# Altium PCB DIOT_SMA16.PcbDoc (part 4 of 6) (continued)
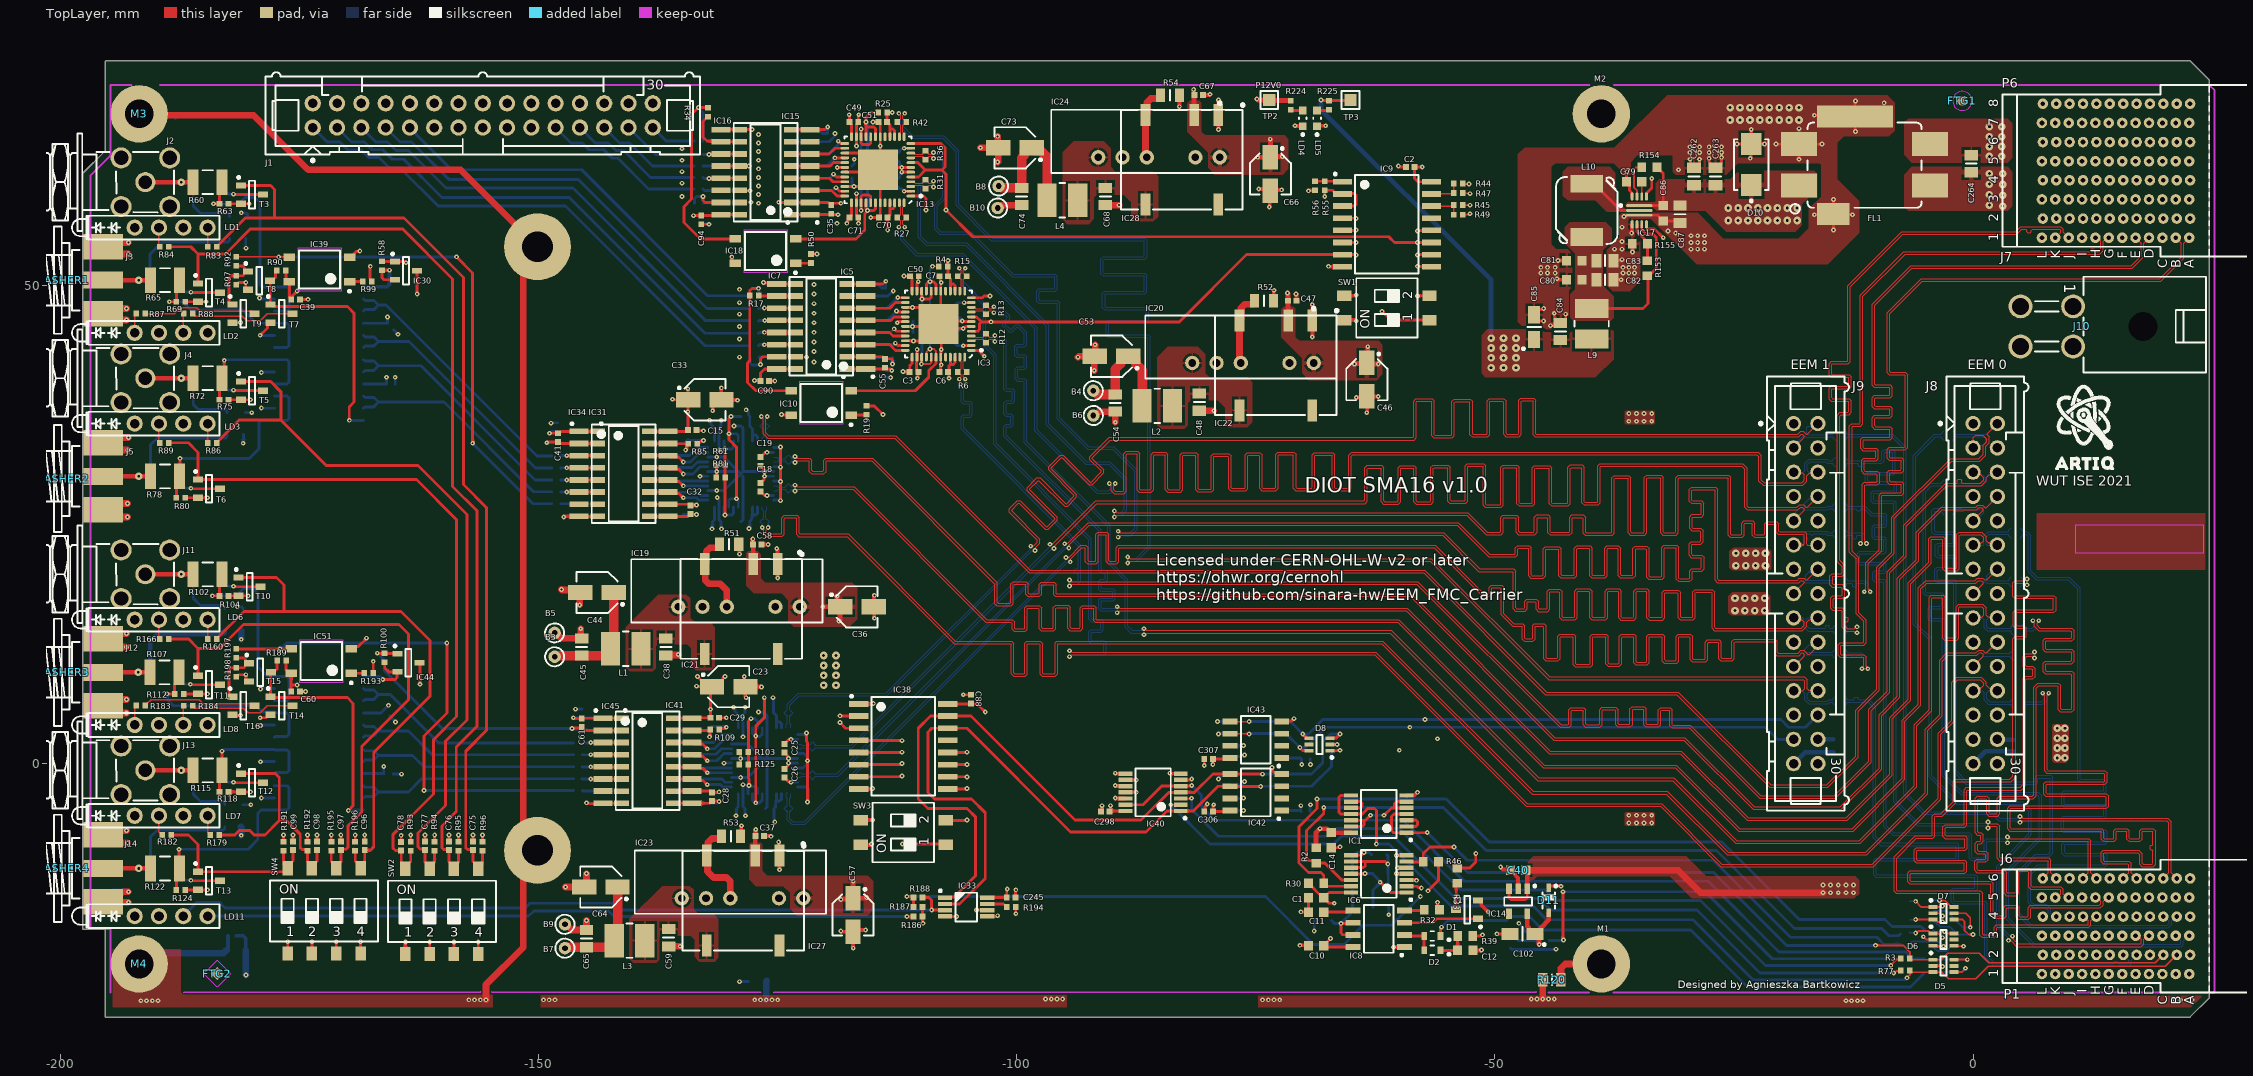
[diagram p0: TopLayer view]
## Nets (pads, with @x,y where several pads share a name; then routed paths per layer and width w, separated by ;. In a path a pad name is that pad's centre, name@x,y a point inside that pad or via, vN(x,y) a via of type N, cw(c..) or ccw(c..) an arc to the next point about the centre after c; other vN are vias at no path point) (continued)
  Bottom Layer w0.3: IC36.8@-138.423,25.855 IC37.8@-136.473,25.855 -135.068,25.855 -134.873,26.05 v1(-133.498,26.05) ; IC36.2@-138.423,33.475 IC37.2@-136.473,33.475 -134.798,33.475 C22.1@-134.373,33.9 -134.273,33.8 v1(-132.748,33.8) ; IC47.8@-135.923,-4.145 IC49.8@-133.973,-4.145 -131.372,-4.145 -131.177,-3.95 v1(-131.123,-3.95) ; IC47.2@-135.923,3.475 IC49.2@-133.973,3.475 -132.298,3.475 C30.1@-131.873,3.9 -130.527,3.9 -130.427,3.8 v1(-130.373,3.8) ; IC32.27@-132.323,28.55 v1(-131.373,28.55) -130.623,28.55 IC32.49@-128.873,30.3 ; IC32.31@-132.323,30.55 v1(-131.373,30.55) IC32.49@-129.123,30.55 ; IC32.34@-132.323,32.05 v1(-131.373,32.05) -130.623,32.05 IC32.49@-129.123,30.55 ; v1(-131.323,27.828) -131.323,27.774 -131.123,27.573 IC32.23@-131.123,26.85 -131.123,25.5 C16.1@-130.923,25.3 -130.923,24.6 v1(-130.873,24.55) ; v1(-131.123,32.8) IC32.38@-131.123,33.75 -131.123,34.964 -131.083,35.004 -131.083,35.14 C21.1@-130.923,35.3 -130.921,35.302 -130.921,35.884 v1(-130.905,35.9) ; IC46.27@-129.823,-1.45 v1(-128.873,-1.45) -128.123,-1.45 IC46.49@-126.373,0.3 ; IC46.31@-129.823,0.55 v1(-128.873,0.55) IC46.49@-126.623,0.55 ; IC46.34@-129.823,2.05 -128.123,2.05 IC46.49@-126.623,0.55 ; v1(-129.58,35.3) C20.1@-128.823,35.3 -128.663,35.14 -128.663,35.004 -128.623,34.964 IC32.43@-128.623,33.75 IC32.49@-128.623,30.55 ; v1(-129,-22.8) R119.2@-128.05,-22.8 ; C17.1@-128.823,25.3 -128.623,25.5 IC32.18@-128.623,26.85 -128.623,27.8 IC32.49@-128.623,30.05 ; v1(-128.623,-2.2) IC46.23@-128.623,-3.15 -128.623,-4.5 C24.1@-128.423,-4.7 -128.423,-5.4 v1(-128.373,-5.45) ; v1(-128.623,2.8) IC46.38@-128.623,3.75 -128.623,4.964 -128.583,5.004 -128.583,5.14 C31.1@-128.423,5.3 -128.421,5.302 -128.421,5.884 v1(-128.405,5.9) ; v1(-127,5.4) -126.962,5.362 -126.385,5.362 C27.1@-126.323,5.3 -126.163,5.14 -126.163,5.004 -126.123,4.964 IC46.43@-126.123,3.75 IC46.49@-126.123,0.55 ; v1(-126.373,30.05) IC32.7@-125.423,30.05 ; C69.1@-126.273,-4.7 -126.123,-4.55 IC46.18@-126.123,-3.15 -126.123,-2.2 -126.123,0.05 IC46.49@-126.373,0.3 ; IC32.6@-125.423,30.55 v1(-126.373,30.55) IC32.49@-128.623,30.55 ; v1(-123.873,0.05) IC46.7@-122.923,0.05 ; IC11.9@-123.576,66.295 IC12.9@-121.626,66.295 -120.735,66.295 -120.319,65.879 -119.863,65.879 C13.1@-119.817,65.925 ; IC46.6@-122.923,0.55 v1(-123.873,0.55) IC46.49@-126.123,0.55 ; C13.1@-119.775,65.925 -119.775,66.565 v1(-119.767,66.573) ; C9.1@-119.553,56.505 -118.805,56.505 v1(-118.8,56.5) ; IC2.9@-117.749,50.162 IC4.9@-115.799,50.162 -114.553,50.162 -114.133,49.742 -113.698,49.742 v1(-113.698,50.447) ; R26.2@-117.216,61.235 -117.216,60.594 -117.026,60.404 v1(-117.026,60.35) ; R41.2@-117.216,62.478 -117.216,62.498 -117,62.714 v1(-117,63.2) ; C34.1@-113.818,40.372 -113.811,40.365 -113.703,40.365 v1(-113.189,40.365) ; R16.2@-113.009,42.467 -113.004,42.462 -113.004,41.804 v1(-113,41.8) ; C72.1@-112.401,61.175 -112.241,61.335 -112.241,61.581 -112.026,61.796 v1(-112.026,61.85) ; C52.1@-112.401,63.025 -112.241,62.865 -112.241,62.619 -112.026,62.404 v1(-112.026,62.35) ; R14.2@-110.84,45.1 -110.87,45.13 -110.87,45.67 v1(-110.9,45.7) -110.87,45.73 -110.87,46.27 R5.2@-110.84,46.3 ; C5.1@-106.449,44.867 -105.854,45.462 ; C4.1@-106.449,47.067 -105.7,46.318 v1(-105.7,46.3) ; v1(-79,4.4) -77.705,4.4 IC26.4@-77.7,4.405 ; v1(-78.9,-1.6) -78.545,-1.245 -77.85,-1.245 IC25.4@-77.7,-1.095 ; v1(-78.9,3.1) -78.865,3.135 IC26.3@-77.7,3.135 ; IC25.1@-77.7,-4.905 -77.698,-4.902 -76.302,-4.902 v1(-76.3,-4.9) ; IC25.2@-77.7,-3.635 -76.335,-3.635 v1(-76.3,-3.6) ; IC25.3@-77.7,-2.365 -77.562,-2.227 -76.527,-2.227 -76.2,-1.9 v1(-76.2,-1.88) ; IC26.1@-77.7,0.595 -77.563,0.732 -76.422,0.732 -76.254,0.9 v1(-76.2,0.9) ; IC26.2@-77.7,1.865 -76.335,1.865 v1(-76.3,1.9) ; C219.1@-69.35,-5 -69.35,-4.35 v1(-69.3,-4.3) ; C220.1@-69.35,0.5 -69.316,0.466 -69.316,-0.084 v1(-69.3,-0.1) ; v1(-68.9,-17.5) C8.1@-68.9,-16.4 ; v1(-47.5,-16.7) -47.475,-16.7 -47,-17.175 -47,-17.375 -46.825,-17.55 T2.2@-46.625,-17.55 ; IC32.49@-129.123,30.55 IC32.49@-128.873,30.3 ; IC32.49@-128.873,30.3 IC32.49@-128.623,30.55 ; IC46.49@-126.623,0.55 IC46.49@-126.373,0.3 ; IC46.49@-126.623,0.55 -126.373,0.55 -126.248,0.425 IC46.49@-126.123,0.55
  Bottom Layer w0.4: C212.2@-181.6,-18 -180.9,-18 -180.625,-18.275 R126.2@-180.625,-19.5
  Bottom Layer w0.7: R126.2@-180.625,-19.5 -180.625,-22.075 v1(-180.6,-22.1)
  other v1: -45.2,51.3 -44.5,51.3 -43.7,51.3 -36.6,51.3 -36,51.3 -35.4,51.3 -45.2,51.9 -44.5,51.9 -43.7,51.9 -36.6,51.9 -36,51.9 -35.4,51.9 -37.5,53.8 -36.7,53.8 -29.5,53.8 -28.8,53.8 -28.1,53.8 -29.5,54.5 -28.8,54.5 -28.1,54.5 -36.7,54.6 -29.5,55.2 -28.8,55.2 -28.1,55.2 -31.1,55.5 -31.9,55.7 -36.7,56.1 -30.8,62.1 -29.6,63.9 -28.6,63.9 -27.6,63.9 -26.3,63.9 -29.6,64.5 -28.6,64.5 -27.6,64.5 -26.3,64.5
  other v2: -25.4,67.3 -24.367,67.3 -23.333,67.3 -22.3,67.3 -21.3,67.3 -20.267,67.3 -19.233,67.3 -18.2,67.3 -25.4,68.6 -24.367,68.6 -23.333,68.6 -22.3,68.6 -21.3,68.6 -20.267,68.6 -19.233,68.6 -18.2,68.6
GND_ISO1: B5.1 C38.1 C39.1 C41.1 C42.1 C43.1 C44.2 C45.1 C75.1 C76.1 C77.1 C78.1 C89.1 D4.1 D9.1 IC19.4 IC21.7 IC30.1 IC31.2 IC31.8 IC34.2 IC34.8 IC35.2 IC35.5 IC35.8 IC35.11 IC36.9 IC37.9 J2.2 J3.2 J4.2 J5.2 LD1.1 LD1.3 LD3.1 LD3.3 R51.1 R58.1 R63.1 R69.1 R75.1 R80.1 R93.2 R94.2 R95.2 R96.2 R97.1 R98.1 T3.2 T4.2 T5.2 T6.2 T7.2 T8.2 T9.2 | length 109.8
  TopLayer w0.3: R80.1@-186.933,27.8 T6.2@-185.623,27.8 v1(-184.623,27.8) ; R69.1@-186.933,48.3 T4.2@-185.623,48.3 -184.778,48.3 v1(-184.773,48.295) ; R75.1@-182.433,38.05 T5.2@-181.123,38.05 v1(-180.123,38.05) ; R63.1@-182.433,58.55 T3.2@-181.123,58.55 -180.286,58.55 -180.278,58.542 v1(-180.273,58.542) ; T9.2@-182.023,46.1 -181.214,46.1 v1(-181.173,46.141) ; R97.1@-181.623,50.08 -181.603,50.08 -181.383,50.3 v1(-180.623,50.3) -180.623,49.725 -180.448,49.55 T8.2@-180.373,49.55 ; v1(-179.123,44.8) -178.366,45.557 -178.366,45.925 -178.191,46.1 T7.2@-178.023,46.1 ; C39.1@-174.973,48.55 v1(-174.123,48.55) ; R58.1@-166.373,52.52 -165.043,52.52 IC30.1@-165.023,52.5 -164.047,52.5 -163.927,52.38 v1(-163.873,52.38) ; C78.1@-164.373,-8.2 v1(-164.373,-7.5) ; R93.2@-163.373,-8.15 v1(-163.373,-7.45) ; C77.1@-161.873,-8.15 v1(-161.873,-7.45) ; R94.2@-160.873,-8.15 v1(-160.873,-7.45) ; C76.1@-159.373,-8.15 v1(-159.373,-7.45) ; R95.2@-158.373,-8.15 v1(-158.373,-7.45) ; C75.1@-156.873,-8.15 v1(-156.873,-7.45) ; R96.2@-155.873,-8.15 v1(-155.873,-7.45) ; v1(-149.151,33.558) -149.097,33.558 -149.005,33.65 C41.1@-147.993,33.65 -147.833,33.49 -147.698,33.49 -147.683,33.475 IC34.2@-145.773,33.475 IC31.2@-143.823,33.475 ; v1(-147.373,25.8) -147.318,25.855 IC34.8@-145.773,25.855 IC31.8@-143.823,25.855
  TopLayer w0.7: v1(-193.1,46.4) -194.915,46.4 J3.2@-195.573,47.057 -195.03,47.6 v1(-193.1,47.6) ; v1(-193,25.8) -194.815,25.8 J5.2@-195.573,26.557 -194.93,27.2 v1(-193,27.2) ; v1(-193,32.8) -194.83,32.8 J5.2@-195.573,33.542 -195.015,34.1 v1(-192.9,34.1) ; v1(-192.9,53.3) -194.83,53.3 J3.2@-195.573,54.042 -195.115,54.5 v1(-192.9,54.5) ; B5.1@-148.328,13.675 -148.193,13.675 -147.618,13.1 C45.1@-145.5,13.1 -145.6,13.2 v1(-145.6,14.1) ; v1(-147.6,18.2) -147.555,18.155 -145.905,18.155 C44.2@-145.65,17.9 -145.7,17.85 v1(-145.7,16.6) ; C38.1@-136.7,11.3 -136.645,11.355 -135.445,11.355 v1(-135.4,11.4) ; R51.1@-131.078,22.925 -131.078,22.7 -131.203,22.575 -132.078,22.575 -132.488,22.165 -132.488,21.025 IC21.7@-132.638,20.875 -132.589,20.826 -132.589,19.21 -132.179,18.8 -131,18.8 -130.32,18.12 IC19.4@-130.32,16.4
  Bottom Layer w0.3: v1(-180.9,33.5) -180.873,33.527 D9.1@-180.873,34.4 ; D4.1@-180.623,54.9 -180.623,53.923 v1(-180.6,53.9) ; v1(-179.2,48.7) -179.09,48.59 IC35.11@-177.623,48.59 ; v1(-179.123,44.8) -179.103,44.78 IC35.8@-177.623,44.78 ; v1(-179,37.2) -178.96,37.16 IC35.2@-177.623,37.16 ; v1(-179,40.9) -178.93,40.97 IC35.5@-177.623,40.97 ; C42.1@-165.164,45.364 v1(-164.7,44.9) ; C43.1@-165,39.7 v1(-165,40.4) ; v1(-164.373,-7.5) -164.319,-7.5 v1@-164.269,-7.45 ; v1(-149.151,33.558) -149.144,33.55 R98.1@-148.438,33.55 ; v1(-148.7,35.6) -148.655,35.645 C89.1@-148.024,35.645 ; v1(-147.373,25.8) -147.319,25.8 -147.264,25.855 IC37.9@-145.773,25.855 IC36.9@-143.823,25.855
  Bottom Layer w0.7: v1(-193.1,46.4) -194.915,46.4 J3.2@-195.573,47.057 -195.03,47.6 v1(-193.1,47.6) ; v1(-193,25.8) -194.815,25.8 J5.2@-195.573,26.557 -194.93,27.2 v1(-193,27.2) ; v1(-193,32.8) -194.83,32.8 J5.2@-195.573,33.542 -195.015,34.1 v1(-192.9,34.1) ; v1(-192.9,53.3) -194.83,53.3 J3.2@-195.573,54.042 -195.115,54.5 v1(-192.9,54.5)
GND_ISO2: B9.1 C59.1 C60.1 C61.1 C62.1 C63.1 C64.2 C65.1 C92.1 C96.1 C97.1 C98.1 C99.1 D13.1 D14.1 IC23.4 IC27.7 IC41.2 IC41.8 IC44.1 IC45.2 IC45.8 IC47.9 IC48.2 IC48.5 IC48.8 IC48.11 IC49.9 J11.2 J12.2 J13.2 J14.2 LD6.1 LD6.3 LD7.1 LD7.3 R53.1 R100.1 R104.1 R112.1 R118.1 R124.1 R185.1 R191.2 R192.2 R195.2 R196.2 R198.1 T10.2 T11.2 T12.2 T13.2 T14.2 T15.2 T16.2 | length 131.7
  TopLayer w0.3: R112.1@-187.123,7.3 T11.2@-185.623,7.3 v1(-184.623,7.3) ; R124.1@-186.933,-13.2 T13.2@-185.623,-13.2 v1(-184.623,-13.2) ; R118.1@-182.433,-2.95 T12.2@-181.123,-2.95 v1(-180.123,-2.95) ; R104.1@-182.433,17.55 T10.2@-181.373,17.55 v1(-180.373,17.55) ; T16.2@-182.023,5.1 -181.971,5.048 v1(-181.173,5.048) ; R198.1@-181.623,9.08 -181.603,9.08 -181.383,9.3 v1(-180.623,9.3) -180.612,9.289 -180.612,8.775 -180.437,8.6 T15.2@-180.273,8.6 ; v1(-179.123,4.8) -178.523,4.8 -178.223,5.1 T14.2@-178.023,5.1 ; R191.2@-176.683,-8.15 v1(-176.683,-7.45) ; C99.1@-175.683,-8.15 v1(-175.683,-7.45) ; C60.1@-174.973,7.55 v1(-174.373,7.55) ; R192.2@-174.183,-8.15 v1(-174.183,-7.45) ; C98.1@-173.183,-8.15 v1(-173.183,-7.45) ; R195.2@-171.683,-8.15 v1(-171.683,-7.45) ; C97.1@-170.683,-8.15 v1(-170.683,-7.45) ; R196.2@-169.183,-8.15 v1(-169.183,-7.45) ; C96.1@-168.183,-8.15 v1(-168.183,-7.45) ; v1(-166.873,11.55) -166.843,11.52 R100.1@-166.123,11.52 -164.793,11.52 IC44.1@-164.773,11.5 ; v1(-146.498,3.675) -146.425,3.602 -146.416,3.602 -146.283,3.735 -145.566,3.735 C61.1@-145.493,3.808 ; C61.1@-145.36,3.675 -145.161,3.476 IC45.2@-143.267,3.476 IC41.2@-141.323,3.475 ; v1(-145,-4.1) -144.9,-4.2 -143.322,-4.2 IC45.8@-143.267,-4.144 IC41.8@-141.323,-4.145
  TopLayer w0.7: v1(-193.1,-7) -195.115,-7 J14.2@-195.573,-7.458 -194.73,-8.3 v1(-193,-8.3) ; v1(-193.1,5.3) -194.815,5.3 J12.2@-195.573,6.057 -194.93,6.7 v1(-193.1,6.7) ; v1(-193.1,12.2) -194.73,12.2 J12.2@-195.573,13.042 -195.015,13.6 v1(-193.1,13.6) ; v1(-192.9,-14.5) -195.515,-14.5 J14.2@-195.573,-14.443 -194.59,-13.46 -193.478,-13.46 -193.418,-13.4 v1(-192.9,-13.4) ; B9.1@-147.25,-16.8 -147.14,-16.8 -146.54,-17.4 C65.1@-145,-17.4 v1(-145,-16.4) ; v1(-147.2,-12.9) C64.2@-145.25,-12.9 -145,-12.65 v1(-145,-11.5) ; C59.1@-136.4,-19.1 v1(-135.2,-19.1) ; R53.1@-130.873,-7.575 -130.873,-7.71 -130.998,-7.835 -131.873,-7.835 -132.283,-8.245 -132.283,-9.475 IC27.7@-132.433,-9.625 -132.336,-9.721 -132.336,-11.264 -131.7,-11.9 -130.363,-11.9 -129.953,-12.31 IC23.4@-129.953,-14.075
  Bottom Layer w0.3: v1(-179.1,0.2) -179.08,0.22 IC48.5@-177.623,0.22 ; v1(-179.1,4) -179.07,4.03 IC48.8@-177.623,4.03 ; v1(-179.1,7.8) -179.06,7.84 IC48.11@-177.623,7.84 ; v1(-179,-3.6) -178.99,-3.59 IC48.2@-177.623,-3.59 ; v1(-166.873,11.55) -166.85,11.55 -166.1,10.8 -166.1,9.7 -160.075,3.675 v1(-146.498,3.675) -146.46,3.637 -146.025,3.637 R185.1@-145.938,3.55 ; C62.1@-165.564,4.964 v1(-164.963,4.363) ; C63.1@-165.2,-1.1 v1(-164.35,-1.1) ; v1(-146.156,5.698) -146.154,5.7 C92.1@-145.478,5.7 ; v1(-145,-4.1) -144.946,-4.1 -144.901,-4.145 IC49.9@-143.273,-4.145 IC47.9@-141.323,-4.145
  Bottom Layer w0.7: v1(-193.1,-7) -195.115,-7 J14.2@-195.573,-7.458 -194.73,-8.3 v1(-193,-8.3) ; v1(-193.1,5.3) -194.815,5.3 J12.2@-195.573,6.057 -194.93,6.7 v1(-193.1,6.7) ; v1(-193.1,12.2) -194.73,12.2 J12.2@-195.573,13.042 -195.015,13.6 v1(-193.1,13.6) ; v1(-192.9,-14.5) -195.515,-14.5 J14.2@-195.573,-14.443 -194.53,-13.4 v1(-192.9,-13.4) ; D14.1@-181.123,-6.6 -181.1,-6.623 v1(-181.1,-7.5) ; D13.1@-181.123,13.9 -181.1,13.877 v1(-181.1,13)
GND_ISO3: B6.1 C48.1 C53.2 C54.1 C90.1 C91.1 IC2.2 IC2.8 IC4.2 IC4.8 IC5.9 IC7.9 IC20.4 IC22.7 J1.2 J1.4 J1.6 J1.8 J1.10 J1.11 J1.15 R18.1 R52.1 | length 30.3
  TopLayer w0.3: v1(-126.5,50.3) -126.462,50.262 -125.199,50.262 IC7.9@-125.099,50.162 IC5.9@-123.149,50.162 ; C90.1@-125.9,40 v1(-125.3,40)
  TopLayer w0.7: v1(-93.6,42.5) -93.5,42.6 C53.2@-91.85,42.6 ; B6.1@-92,36.4 -91.838,36.4 -91.438,36.8 C54.1@-89.7,36.8 v1(-89.7,35.7) ; v1(-91.9,41.1) -91.9,42.55 C53.2@-91.85,42.6 ; v1(-91.8,43.8) -91.8,42.65 C53.2@-91.85,42.6 ; C48.1@-80.9,36.9 v1(-79.4,36.9) ; IC20.4@-76.57,41.9 -76.71,42.04 IC22.7@-76.71,46.35 -76.56,46.5 -76.56,47.64 -76.15,48.05 -75.275,48.05 -75.15,48.175 R52.1@-75.15,48.4
  Bottom Layer w0.3: R18.1@-126.949,42.467 -126.874,42.542 IC4.2@-125.099,42.542 IC2.2@-123.149,42.542 -122.042,42.542 v1(-122,42.5) ; v1(-126.5,50.3) -126.362,50.162 IC4.8@-125.099,50.162 IC2.8@-123.149,50.162 ; C91.1@-125.9,40 v1(-125.3,40)
  other v1: -121.2,42 -129,42.5 -121.2,43.1 -121.2,44.1 -129,44.4 -121.2,45.1 -129,45.7 -121.2,46.1 -129,47 -121.2,47.1 -121.2,48.1 -129,48.2 -121.2,49.1 -129,49.6 -121.2,50.1
GND_ISO4: B10.1 C68.1 C73.2 C74.1 C93.1 C94.1 IC11.2 IC11.8 IC12.2 IC12.8 IC15.9 IC16.9 IC24.4 IC28.7 J1.16 J1.20 J1.22 J1.24 J1.26 J1.28 J1.30 R48.1 R54.1 | length 29.5
  TopLayer w0.3: C94.1@-133,56.4 v1(-132.2,56.4) ; IC16.9@-130.926,66.295 IC15.9@-128.976,66.295 -127.705,66.295 v1(-127.7,66.3)
  TopLayer w0.7: v1(-103.8,64.4) C73.2@-101.95,64.4 ; B10.1@-102,58.1 -101.838,58.1 -101.538,58.4 C74.1@-99.5,58.4 ; v1(-102,62.9) -101.95,62.95 C73.2@-101.95,64.4 ; v1(-102,65.6) -102,64.45 C73.2@-101.95,64.4 ; C68.1@-90.73,58.4 v1(-89.3,58.4) ; IC24.4@-86.4,63.4 -86.54,63.54 IC28.7@-86.54,67.85 -86.39,68 -86.39,69.14 -85.98,69.55 -85.105,69.55 -84.98,69.675 R54.1@-84.98,69.9
  Bottom Layer w0.3: C93.1@-133,56.45 -132.25,56.45 v1(-132.2,56.4) ; R48.1@-132.776,58.6 -132.701,58.675 IC12.2@-130.926,58.675 IC11.2@-128.976,58.675 -128.951,58.7 v1(-127.8,58.7) ; IC12.8@-130.926,66.295 IC11.8@-128.976,66.295 -127.705,66.295 v1(-127.7,66.3)
  other v1: -127,58.6 -135,59.3 -127,59.5 -127,60.4 -135,60.7 -127,61.3 -135,61.9 -127,62.2 -135,63.1 -127,63.1 -127,64 -135,64.3 -127,64.9 -127,65.8
GNDIC4: IC2.15 IC4.15 R16.1 | length 3.8
  Bottom Layer w0.3: IC2.15@-117.749,42.542 IC4.15@-115.799,42.542 -115.724,42.467 R16.1@-113.949,42.467
GNDIC12: IC11.15 IC12.15 R29.1 | length 3.8
  Bottom Layer w0.3: IC11.15@-123.576,58.675 IC12.15@-121.626,58.675 -119.851,58.675 R29.1@-119.776,58.6
GNDIC34: IC31.15 IC34.15 R85.1 | length 4.8
  TopLayer w0.3: IC31.15@-138.423,33.475 IC34.15@-136.473,33.475 -136.448,33.45 R85.1@-134.373,33.45 -134.491,33.332 -134.491,32.932 v1(-134.623,32.8)
GNDIC37: IC36.15 IC37.15 R98.2 | length 3.7
  Bottom Layer w0.3: R98.2@-147.498,33.55 -147.423,33.475 IC37.15@-145.773,33.475 IC36.15@-143.823,33.475
GNDIC45: IC41.15 IC45.15 R109.1 | length 4.7
  TopLayer w0.3: IC41.15@-135.923,3.475 IC45.15@-133.967,3.476 ; IC45.15@-133.967,3.476 -132.137,3.476 R109.1@-132.063,3.55 -132.063,2.86 v1(-132.123,2.8)
GNDIC47: IC47.15 IC49.15 R185.2 | length 3.7
  Bottom Layer w0.3: R185.2@-144.998,3.55 -144.923,3.475 IC49.15@-143.273,3.475 IC47.15@-141.323,3.475
I2C_SCL: IC1.9 IC1.10 | length 3.3
  TopLayer w0.3: IC1.10@-65.056,-4.631 IC1.10@-65.05,-4.625 -64.081,-4.625 -63.906,-4.449 -63.906,-4.131 -64.081,-3.956 -65.031,-3.956 -65.056,-3.981 IC1.9@-64.556,-3.981
I2C_SDA: IC1.2 IC1.3 | length 3.3
  TopLayer w0.3: IC1.2@-59.256,-6.581 IC1.2@-59.25,-6.575 -58.281,-6.575 -58.106,-6.399 -58.106,-6.081 -58.281,-5.906 -59.231,-5.906 -59.256,-5.931 IC1.3@-58.756,-5.931
IO0: D4.3 J2.1 R60.1 R62.2 | length 13.1
  TopLayer w0.5: J2.1@-191.073,60.8 v2(-187.373,60.8) R60.1@-186.123,60.8
  Bottom Layer w0.3: R62.2@-186.123,60.8 -186.123,58.3 -185.373,57.55 -182.473,57.55 -182.323,57.4 D4.3@-182.323,57.2
  Bottom Layer w0.5: v2(-187.373,60.8) R62.2@-186.123,60.8
IO1: D4.2 J3.1 R65.1 R68.2 | length 18.1
  TopLayer w0.5: J3.1@-195.523,50.55 v2(-191.823,50.55) R65.1@-190.573,50.55
  Bottom Layer w0.3: R68.2@-190.573,50.55 -190.623,50.6 -190.623,53.3 -189.373,54.55 -182.473,54.55 -182.323,54.7 D4.2@-182.323,54.9
  Bottom Layer w0.5: v2(-191.823,50.55) R68.2@-190.573,50.55
IO2: D9.3 J4.1 R72.1 R74.2 | length 13
  TopLayer w0.5: J4.1@-191.073,40.3 v2(-187.373,40.3) R72.1@-186.123,40.3
  Bottom Layer w0.3: R74.2@-186.123,40.3 -186.123,37.55 -185.623,37.05 -182.723,37.05 -182.573,36.9 D9.3@-182.573,36.7
  Bottom Layer w0.5: v2(-187.373,40.3) R74.2@-186.123,40.3
IO3: D9.2 J5.1 R78.1 R79.2 | length 18.1
  TopLayer w0.5: J5.1@-195.523,30.05 v2(-191.823,30.05) R78.1@-190.573,30.05
  Bottom Layer w0.3: R79.2@-190.573,30.05 -190.573,33.35 -189.873,34.05 -182.723,34.05 -182.573,34.2 D9.2@-182.573,34.4
  Bottom Layer w0.5: v2(-191.823,30.05) R79.2@-190.573,30.05
IO4: D13.3 J11.1 R102.1 R105.2 | length 12.6
  TopLayer w0.5: J11.1@-191.073,19.8 v2(-187.373,19.8) R102.1@-186.123,19.8
  Bottom Layer w0.3: R105.2@-186.123,19.8 -186.123,17.3 -185.373,16.55 -182.973,16.55 -182.823,16.4 D13.3@-182.823,16.2
  Bottom Layer w0.5: v2(-187.373,19.8) R105.2@-186.123,19.8
IO5: D13.2 J12.1 R107.1 R111.2 | length 17.8
  TopLayer w0.5: J12.1@-195.573,9.55 v2(-191.873,9.55) R107.1@-190.623,9.55
  Bottom Layer w0.5: v2(-191.873,9.55) R111.2@-190.623,9.55 -190.623,12.8 -189.873,13.55 -183.173,13.55 -183.073,13.65 -182.873,13.65 -182.823,13.7 D13.2@-182.823,13.9
IO6: D14.3 J13.1 R115.1 R117.2 | length 12.6
  TopLayer w0.5: J13.1@-191.073,-0.7 v2(-187.373,-0.7) R115.1@-186.123,-0.7
  Bottom Layer w0.3: R117.2@-186.123,-0.7 -186.123,-3.2 -185.373,-3.95 -182.973,-3.95 -182.823,-4.1 D14.3@-182.823,-4.3
  Bottom Layer w0.5: v2(-187.373,-0.7) R117.2@-186.123,-0.7
IO7: D14.2 J14.1 R122.1 R123.2 | length 17.8
  TopLayer w0.5: J14.1@-195.523,-10.95 v2(-191.823,-10.95) R122.1@-190.573,-10.95
  Bottom Layer w0.3: R123.2@-190.573,-10.95 -190.573,-7.65 -189.873,-6.95 -182.973,-6.95 -182.823,-6.8 D14.2@-182.823,-6.6
  Bottom Layer w0.5: v2(-191.823,-10.95) R123.2@-190.573,-10.95
LED0: LD1.4 R83.2 | length 2
  TopLayer w0.15: R83.2@-184.623,54.05 LD1.4@-184.623,56.05
LED1: LD1.2 R84.2 | length 2
  TopLayer w0.15: LD1.2@-189.703,56.05 -189.703,54.13 R84.2@-189.623,54.05
LED2: LD3.4 R86.2 | length 2
  TopLayer w0.15: R86.2@-184.623,33.55 LD3.4@-184.623,35.55
LED3: LD3.2 R89.2 | length 2
  TopLayer w0.15: LD3.2@-189.703,35.55 -189.703,33.63 R89.2@-189.623,33.55
LED4: LD6.4 R160.2 | length 2
  TopLayer w0.15: R160.2@-184.623,13.05 LD6.4@-184.623,15.05
LED5: LD6.2 R166.2 | length 2
  TopLayer w0.15: LD6.2@-189.703,15.05 -189.703,13.13 R166.2@-189.623,13.05
LED6: LD7.4 R179.2 | length 2.1
  TopLayer w0.15: LD7.4@-184.623,-5.45 -184.623,-7.15 -184.343,-7.43 R179.2@-184.343,-7.45
LED7: LD7.2 R182.2 | length 2.1
  TopLayer w0.15: LD7.2@-189.703,-5.45 -189.703,-7.12 -189.608,-7.215 -189.588,-7.215 -189.373,-7.43 R182.2@-189.373,-7.45
LED_OUT1: IC39.4 R91.2 R92.2 | length 55.3
  TopLayer w0.15: R92.2@-181.623,52.99 v1(-177.184,52.99) -176.106,52.99 IC39.4@-176.061,52.945
  TopLayer w0.3: v1(-158.6,53) -156.9,51.3 v1(-156.9,33.5)
  Bottom Layer w0.3: v1(-177.184,52.99) -158.61,52.99 v1(-158.6,53) ; v1(-156.9,33.5) -150.575,27.175 R91.2@-148.623,27.175
LED_OUT2: IC51.4 R165.1 R197.2 | length 55.5
  TopLayer w0.3: R197.2@-181.623,11.99 v1(-177.047,11.99) -175.885,11.99 IC51.4@-175.88,11.995 ; v1(-162,-2.8) -162,2.901 -159.6,5.301 v1(-159.6,12.6)
  Bottom Layer w0.3: v1(-177.047,11.99) -176.993,11.99 -176.383,12.6 v1(-159.6,12.6) ; v1(-162,-2.8) -161.975,-2.825 R165.1@-146.373,-2.825
LED_OUT3: IC10.4 R11.2 R17.2 | length 16.4
  TopLayer w0.3: v1(-127,49.7) -127.7,49.7 -127.919,49.481 R17.2@-127.919,48.967 -127.919,42.132 -128.149,41.902 -128.149,39.849 -127.287,38.987 -126.703,38.987 IC10.4@-123.599,38.987
  Bottom Layer w0.3: v1(-127,49.7) -126.941,49.641 R11.2@-126.941,48.929
LED_OUT4: IC18.4 R24.2 R34.1 | length 23.4
  TopLayer w0.3: R34.1@-132.3,68.6 v1(-133.3,68.6) -134,67.9 -134,59.036 -134.8,58.236 -134.8,56.6 -133.07,54.87 IC18.4@-129.426,54.87
  Bottom Layer w0.3: v1(-133.3,68.6) -132.8,68.1 R24.2@-132.8,65.1
LVDS_DUAL.LVDS_N0: IC32.48 J8.3 R64.2 R161.2 | length 184.3
  TopLayer w0.12: v1(-126.096,36.3) -126.096,36.217 -126.274,36.04 -126.274,34.626 -125.912,34.265 -112.665,34.265 -98.612,20.212 -57.338,20.212 -44.605,7.48 -30.855,7.48 -21.154,-2.222 -15.306,-2.222 -12.287,0.797 -12.287,5.587 -10.087,7.787 -10.087,20.522 -8.494,22.116 -8.494,25.765 -2.356,31.903 0.603,31.903 1.051,32.35 1.051,33.291 1.437,33.677 1.437,33.936 1.017,34.355 0.272,34.355 0.022,34.105 0.022,33.042 J8.3@0,33.02
  Bottom Layer w0.085: IC32.48@-126.123,33.75 -126.123,34.064 -126.267,34.207 -126.267,34.983 -126.217,35.033 -126.15,35.033 -125.903,35.28 R64.2@-125.903,35.3 -125.903,35.32 -126.15,35.567 -126.217,35.567 -126.267,35.617 -126.267,35.862 -126.3,35.895 -126.3,36.043 -126.096,36.246 v1(-126.096,36.3)
  Bottom Layer w0.12: R161.2@-2.123,33.8 -1.893,34.03 -1.893,34.097 -1.823,34.167 1.2,34.167 1.3,34.067 1.3,33.62 0.983,33.303 0.283,33.303 J8.3@0,33.02
LVDS_DUAL.LVDS_N1: IC3.48 J8.6 R6.2 R162.2 | length 183.7
  TopLayer w0.085: IC3.48@-105.449,42.517 -105.449,42.203 -105.592,42.059 -105.592,41.284 -105.542,41.234 -105.476,41.234 -105.229,40.987 R6.2@-105.229,40.967 -105.229,40.947 -105.476,40.699 -105.542,40.699 -105.592,40.649 -105.592,40.457 -105.389,40.254 v1(-105.389,40.2)
  TopLayer w0.12: v1(-94.5,18.58) -94.417,18.58 -94.24,18.758 -58.157,18.758 -43.189,3.789 -42.251,3.789 -42.025,4.015 -42.025,5.501 -41.955,5.571 -40.828,5.571 -40.758,5.501 -40.758,4.041 -40.532,3.816 -39.023,3.816 -38.797,4.041 -38.797,5.539 -38.727,5.609 -37.456,5.609 -37.385,5.539 -37.385,4.068 -37.16,3.842 -35.838,3.842 -35.612,4.068 -35.612,5.603 -35.542,5.674 -34.506,5.674 -34.436,5.603 -34.436,4.068 -34.21,3.842 -32.861,3.842 -32.635,4.068 -32.635,5.523 -32.565,5.593 -31.77,5.593 -31.7,5.523 -31.7,3.961 -31.474,3.735 -29.685,3.735 -22.313,-3.637 -14.395,-3.637 -10.622,0.136 -10.622,5.552 -8.697,7.477 -8.697,19.938 -6.963,21.673 -6.963,24.843 -2.75,29.056 0.834,29.056 1.376,29.598 1.376,29.886 1.687,30.197 2.257,30.197 J8.6@2.54,30.48
  Bottom Layer w0.12: v1(-105.389,40.2) -105.389,40.117 -105.566,39.94 -105.566,37.977 -105.496,37.907 -104.876,37.907 -104.65,37.682 -104.65,36.461 -104.876,36.235 -105.496,36.235 -105.566,36.165 -105.566,35.125 -93.288,22.846 -93.288,19.112 -93.642,18.758 -94.24,18.758 -94.417,18.58 v1(-94.5,18.58) ; R162.2@-2.085,28.7 -1.855,28.93 -1.855,28.985 -1.785,29.055 0.937,29.055 1.409,29.527 1.409,30.011 1.636,30.238 2.298,30.238 J8.6@2.54,30.48
LVDS_DUAL.LVDS_N2: IC32.4 J8.9 R71.2 R163.2 | length 183.6
  TopLayer w0.12: v1(-123.2,31.496) -123.117,31.496 -122.94,31.674 -121.751,31.674 -121.681,31.603 -121.681,30.548 -121.455,30.322 -120.161,30.322 -119.935,30.548 -119.935,31.603 -119.865,31.674 -115.19,31.674 -102.297,18.781 -102.297,16.744 -102.071,16.519 -100.573,16.519 -100.348,16.744 -100.348,18.693 -100.277,18.764 -99.138,18.764 -99.067,18.693 -99.067,17.703 -98.842,17.477 -97.634,17.477 -97.408,17.703 -97.408,18.635 -97.338,18.705 -96.198,18.705 -96.128,18.635 -96.128,17.655 -95.972,17.5 -58.874,17.5 -43.837,2.463 -30.237,2.463 -23.012,-4.762 -13.767,-4.762 -9.572,-0.568 -9.572,5.028 -7.647,6.953 -7.647,19.262 -5.697,21.213 -5.697,24.077 -3.227,26.547 0.368,26.547 0.591,26.771 0.895,26.771 1.072,26.593 1.072,26.472 J8.9@0,25.4
  Bottom Layer w0.085: IC32.4@-125.423,31.55 -125.109,31.55 -124.966,31.694 -124.652,31.694 -124.19,31.694 -124.14,31.644 -124.14,31.577 -123.893,31.33 R71.2@-123.873,31.33 -123.853,31.33 -123.606,31.577 -123.606,31.644 -123.556,31.694 -123.457,31.694 -123.26,31.496 v1(-123.2,31.496)
  Bottom Layer w0.12: R163.2@-2.123,26.05 -1.893,26.28 -1.893,26.347 -1.823,26.417 -1.052,26.417 -0.923,26.547 1.057,26.547 1.127,26.477 1.127,26.227 0.3,25.4 J8.9@0,25.4
LVDS_DUAL.LVDS_N3: IC3.4 J8.12 R12.2 R164.2 | length 182.3
  TopLayer w0.085: IC3.4@-104.749,44.717 -104.435,44.717 -104.291,44.573 -103.516,44.573 -103.466,44.623 -103.466,44.689 -103.219,44.937 R12.2@-103.199,44.937 -103.179,44.937 -102.931,44.689 -102.931,44.623 -102.881,44.573 -102.5,44.573 -102.3,44.773 v1(-102.3,44.777)
  TopLayer w0.12: v1(-89.5,16.404) -89.417,16.404 -89.24,16.226 -59.151,16.226 -44.225,1.3 -30.501,1.3 -23.528,-5.672 -13.277,-5.672 -8.712,-1.108 -8.712,4.787 -6.787,6.712 -6.787,18.927 -4.65,21.064 -4.65,23.507 -4.424,23.732 -3.126,23.732 -2.9,23.507 -2.9,20.496 -2.83,20.426 -1.767,20.426 -1.696,20.496 -1.696,23.987 -1.471,24.212 0.91,24.212 1.376,23.746 1.376,23.317 1.63,23.063 2.337,23.063 J8.12@2.54,22.86
  Bottom Layer w0.12: v1(-102.3,44.777) -102.243,44.777 -102.04,44.573 -101.38,44.573 -101.088,44.28 -101.088,39.256 -101.017,39.186 -100.431,39.186 -100.206,38.96 -100.206,37.902 -100.431,37.676 -101.017,37.676 -101.088,37.606 -101.088,36.635 -101.017,36.565 -100.579,36.565 -100.353,36.339 -100.353,35.439 -100.579,35.213 -101.017,35.213 -101.088,35.143 -101.088,34.362 -91.188,24.462 -91.188,20.379 -91.049,20.241 -90.72,20.241 -90.494,20.015 -90.494,19.217 -90.72,18.992 -91.117,18.992 -91.188,18.922 -91.188,18.369 -91.117,18.299 -89.92,18.299 -89.694,18.073 -89.694,17.252 -89.92,17.026 -91.188,17.026 -91.188,16.297 -91.117,16.226 -89.76,16.226 -89.583,16.404 v1(-89.5,16.404) ; J8.12@2.54,22.86 1.473,22.86 1.402,22.93 1.402,23.698 1.697,23.992 3.675,23.992 3.745,23.922 3.745,23.805 R164.2@3.975,23.575